# KiCad board panel1.kicad_pcb (continued)
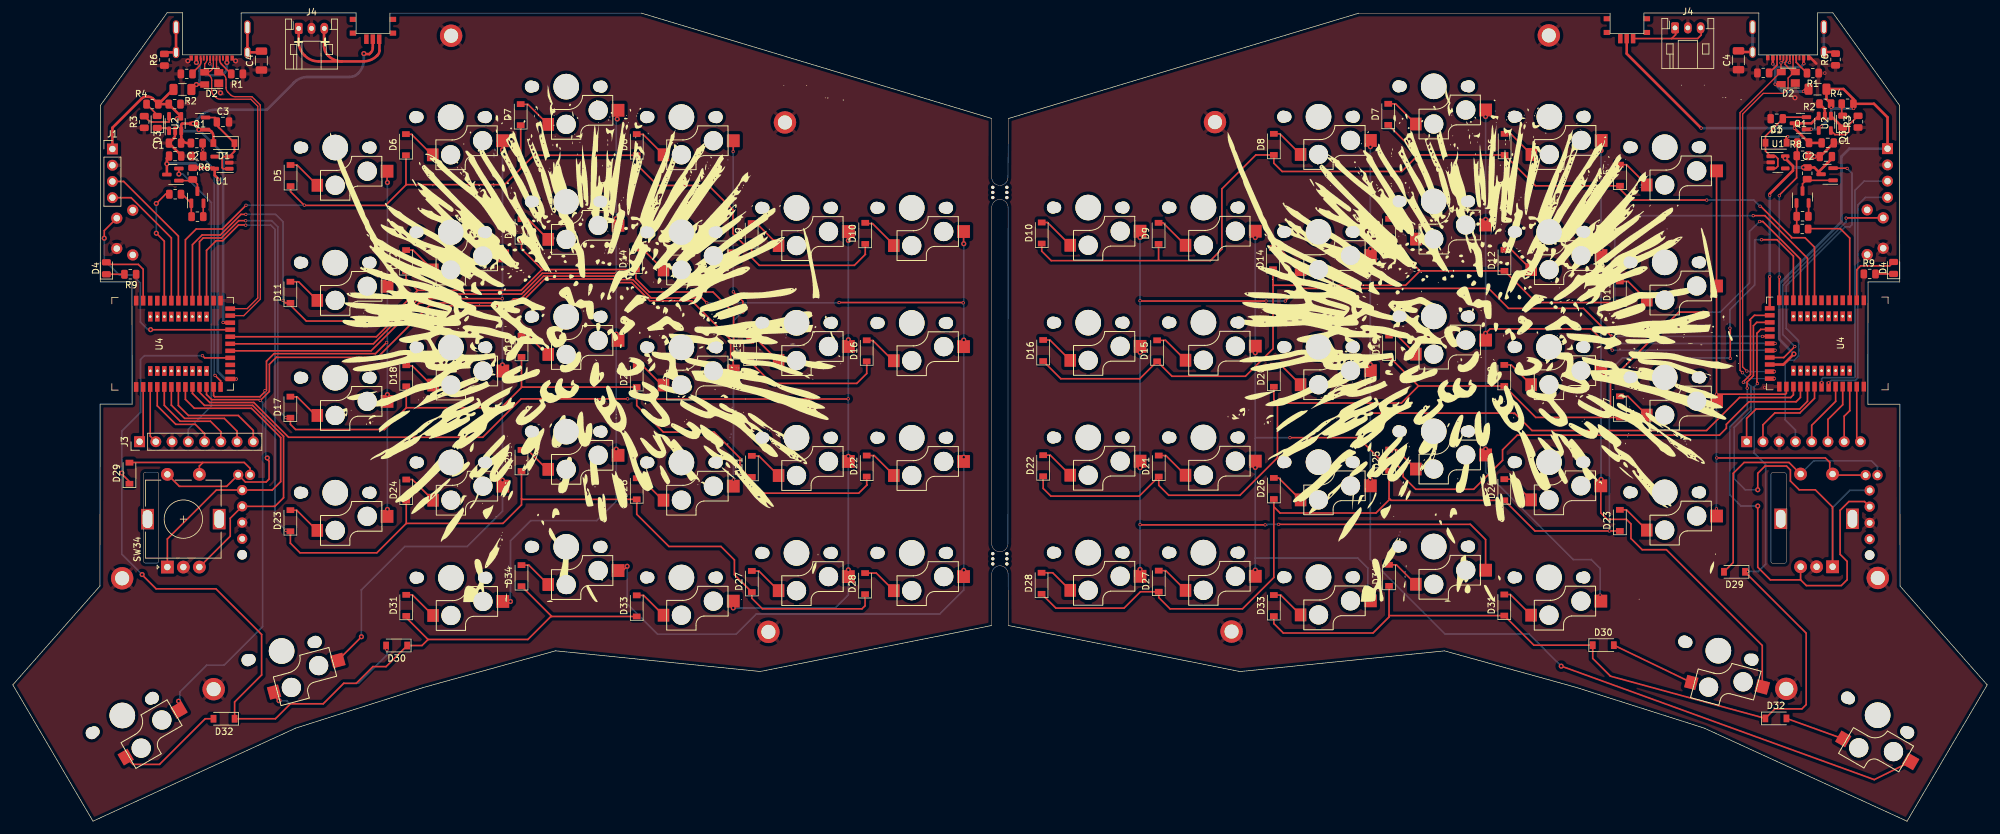
[diagram p0: board, top side]
## Nets (continued)
Net-(D18-Pad2): D18.2 D18#2.2 SW15.1 SW15#2.1
Net-(D19-Pad2): D19.2 D19#2.2 SW16.1 SW16#2.1
Net-(D20-Pad2): D20.2 D20#2.2 SW17.1 SW17#2.1
Net-(D21-Pad2): D21.2 D21#2.2 SW18.1 SW18#2.1
Net-(D22-Pad2): D22.2 D22#2.2 SW19.1 SW19#2.1
Net-(D23-Pad2): D23.2 D23#2.2 SW20.1 SW20#2.1
Net-(D24-Pad2): D24.2 D24#2.2 SW21.1 SW21#2.1
Net-(D25-Pad2): D25.2 D25#2.2 SW22.1 SW22#2.1
Net-(D26-Pad2): D26.2 D26#2.2 SW23.1 SW23#2.1
Net-(D27-Pad2): D27.2 D27#2.2 SW24.1 SW24#2.1
Net-(D28-Pad2): D28.2 D28#2.2 SW25.1 SW25#2.1
Net-(D29-Pad2): D29.2 D29#2.2 SW32.S1 SW32#2.S1 SW34.S1 SW34#2.S1
Net-(D30-Pad2): D30.2 D30#2.2 SW26.1 SW26#2.1
Net-(D31-Pad2): D31.2 D31#2.2 SW27.1 SW27#2.1
Net-(D32-Pad2): D32.2 D32#2.2 SW28.1 SW28#2.1
Net-(D33-Pad2): D33.2 D33#2.2 SW29.1 SW29#2.1
Net-(D34-Pad2): D34.2 D34#2.2 SW30.1 SW30#2.1
Net-(J4-Pad1): J4.1 J4.3 J4#2.1 J4#2.3 SW33.1 SW33#2.1
Net-(Q2-Pad1): Q2.1 Q2#2.1 R10.2 R10#2.2 R11.2 R11#2.2
Net-(Q2-Pad2): Q2.2 Q2#2.2 R11.1 R11#2.1
Net-(Q2-Pad3): Q2.3 Q2#2.3 Q3.1 Q3#2.1 R12.1 R12#2.1
Net-(R3-Pad2): R3.2 R3#2.2 U2.5 U2#2.5

Pads without a net: J2 A8 B8; J2#2 A8 B8; SW1 3; SW1#2 3; SW32 D; SW32#2 D; SW33 3 4; SW33#2 3 4; SW34 MP; SW34#2 MP; U1 4; U1#2 4; U4 4 5 6 7 12 38 39 40 41 42 43 44 45 46 47 48 49 50 51 52 53 54 55; U4#2 15 16 26 34 35 38 39 40 41 42 43 44 45 46 47 48 49 50 51 52 53 54 55

## Via types
v1: diameter 0.8, hole 0.4, Top to Bottom, 75 vias
v2: diameter 0.5, hole 0.3, Top to Bottom, 94 vias

## Routing (per net, layer and track width the routed paths; a pad name or vN(x,y) marks a point on that pad's centre or on a via; arc(x,y) is an arc through that point)
GND: length 12
  Top w0.4: C1.2 26.32,104.14 C2.2 ; C1#2.2 282.45,103.96 C2#2.2 ; U2#2.2 283.18,111.38 R2#2.2 ; 25.37,108.02 25.37,107.45 arc(25.29,107.07) 25.08,106.74 24.41,106.07 ; 281.84,118.52 280.94,119.42 J2.A1
  vias: v1(27.35,118.92) v1(32.46,113.92) v1(34.82,118.92) v1(278.51,113.16) v1(281.53,103.96) v2(27.43,112.29) v2(273.76,67.84) v2(283.18,117.02)
VBAT: length 85
  Top w0.4: SW33.2 56.26,120.94 arc(56.18,120.56) 55.96,120.23 55.72,119.99 54.94,119.99 v1(54.86,120.07) ; 27.81,106.07 27.32,106.07 arc(26.61,106.36) 26.32,107.07 26.32,108.95 26.49,109.12 v1(28.18,109.12) ; SW33#2.2 252.22,120.04 v2(263.85,108.41) ; U2#2.3 281.09,109.17 Q1.3 v2(278.43,108.41) 278.43,108.4 R7.2 280.73,106.1 C1#2.1
  Bottom w0.4: v1(54.86,120.07) 54.86,119.1 arc(54.63,117.95) 53.98,116.98 arc(53.35,116.56) 52.61,116.41 46.04,116.41 arc(44.9,116.18) 43.92,115.53 43.92,115.5 39.7,111.28 31.58,111.28 arc(30.43,111.05) 29.46,110.4 v1(28.18,109.12) ; v2(278.43,108.41) v2(263.85,108.41)
VBUS: length 144.8
  Top w0.4: v2(287.68,111.48) 287.64,111.52 R4.1 ; U4#2.22 32.89,77.98 v2(32.86,78) ; U2.4 26.1,110.26 v1(25.73,109.88) ; R2#2.1 283.44,112.95 F1#2.1 283.46,114.53 286.08,114.53 287.64,112.97 R4.1 ; 22.75,112.17 23.94,112.17 arc(24.32,112.09) 24.65,111.87 26.3,110.22 ; 22.75,112.17 21.9,113.02 arc(21.58,113.24) 21.19,113.31 20.82,113.31 arc(20.44,113.24) 20.12,113.02 15.57,108.47 J1.1 ; 22.75,112.17 25.04,114.45 ; v2(277.37,107.06) 277.21,106.9 D1.2 ; Q1#2.1 30.1,108.15 v1(29.08,108.15) ; J1#2.1 292.98,110.09 290.86,112.22 R4.1 ; U4.22 276.69,71.43 v1(278.35,73.08) ; D1#2.2 31.34,107.15 arc(31.26,107.54) 31.05,107.86 31.03,107.88 arc(30.71,108.09) 30.33,108.17
  Bottom w0.4: v2(277.37,107.06) 279.04,107.06 280.24,108.25 v2(281.08,108.25) 282.22,108.25 v2(282.61,108.65) 284.18,110.21 v2(284.18,111.66) 284.35,111.48 v2(287.68,111.48) ; v2(32.86,78) 32.86,104.37 v1(29.08,108.15) 28.88,107.95 26.67,107.95 25.73,108.89 v1(25.73,109.88) ; v1(278.35,73.08) 276.07,75.36 276.07,84.05 285.78,93.76 285.78,103.96 287.01,105.2 J1#2.1
VDD_NRF: length 83.4
  Top w0.4: U1#2.5 v1(276.99,103.68) 278.21,102.46 278.21,101.78 274.57,98.14 v2(274.57,97.91) ; U4.14 v2(274.57,85.16) ; U4#2.14 34.93,69.18 v2(34.95,69.16) ; C2#2.1 284.29,103.64 282.22,101.57 ; C2.1 24.08,103.7 v1(24.08,102.82) Q3#2.3 ; 282.22,101.57 281.53,102.26 R12#2.2 ; 282.22,101.57 Q3.3 ; v2(32.06,100.33) 32.06,100.53 31.55,101.03 U1.5 31.4,102.21 v1(29.26,102.21) R12.2
  Bottom w0.4: v2(32.06,100.33) 32.06,70.3 33.19,69.16 v2(34.95,69.16) ; v2(274.57,85.16) v2(274.57,97.91) ; v1(276.99,103.68) 278.41,102.26 v1(279.83,102.26) ; v1(29.26,102.21) 28.59,102.87 24.13,102.87 v1(24.08,102.82)
/CC1: length 6
  Top w0.25: R1#2.2 278.71,118.7 J2.A5 ; R1.2 32.63,118.4 arc(32.41,118.72) 32.34,119.1
/CC2: length 5.7
  Top w0.25: R5.2 275.71,118.28 J2.B5 ; J2#2.B5 29.41,119.29 29.41,118.8 arc(29.33,118.41) 29.12,118.09 28.09,117.06
BUSY: length 26.8
  Top w0.25: 288.74,59.41 288.17,59.98 U4.36 ; J3.8 37.59,61.11 35.24,63.46 27.44,63.46 25.88,65.03 U4#2.7
BVOLT: length 66
  Top w0.25: v2(31.61,69.72) 31.62,69.72 32.48,68.87 U4#2.13 ; 29.69,106.07 29.69,104.14 ; v2(276.07,97.84) 276.07,97.94 278.76,100.63 278.76,104.07 R8#2.2 278.88,104.19 R7.1 ; U4.13 v2(276.07,85.11)
  Bottom w0.25: v2(276.07,85.11) v2(276.07,97.84) ; v2(29.69,105) 29.71,104.98 29.71,103.76 31.48,101.99 31.48,69.85 v2(31.61,69.72)
COL0: length 211.5
  Top w0.25: U4.26 277.17,66.93 277.03,66.79 v2(266.26,66.79) SW2#2.2 ; v1(58.54,99.9) 58.49,99.95 SW2.2 ; SW32#2.S2 284.56,54.13 SW34#2.S2 283.95,54.75 283.95,56.13 283.26,56.82 v2(266.29,56.82) ; v1(39.77,56.82) 39.64,56.95 39.54,56.95 39.54,56.82 40.05,56.31 40.05,53.52 39.59,53.06 36.35,53.06 SW32.S2 33.42,52.38 26.03,52.38 SW34.S2 ; v2(266.24,48.87) 266.26,48.86 SW20#2.2 ; v2(58.42,74.88) 56.66,73.13 40.81,73.13 39.65,71.96 39.65,67.41 38.63,66.4 31.54,66.4 31.38,66.56 U4#2.12
  Bottom w0.25: v1(58.54,48.77) v1(58.54,66.73) 58.54,74.75 v2(58.42,74.88) 58.54,75.01 v1(58.54,84.68) v1(58.54,99.9) ; v2(39.4,67.35) 39.49,67.44 39.49,57 ; v2(266.26,66.79) 266.26,66.81 266.24,66.83 v2(266.24,48.87)
COL1: length 270.1
  Top w0.25: v2(76.5,81.74) 63.42,81.74 56.36,74.68 U4#2.19 ; U4.19 v2(275.41,74.73) ; v1(248.21,104.9) 248.22,104.92 SW3.2 ; SW21#2.2 248.17,48.22 249.17,47.22 252.17,47.22 252.88,46.51 252.88,44.22 254.64,42.47 258.42,42.47 273.4,27.48 SW26#2.2 ; v1(76.53,105) 76.52,105.01 SW3#2.2 ; v1(54.48,28.86) 54.48,28.83 SW26.2
  Bottom w0.25: 248.21,74.75 v1(248.21,89.41) v1(248.21,104.9) ; 248.21,74.75 v1(248.21,71.45) v1(248.21,53.47) ; 248.21,74.75 248.23,74.73 v2(275.41,74.73) ; v1(54.48,28.86) 54.48,36.2 61.26,42.98 71.01,42.98 76.53,48.49 v1(76.53,53.34) v1(76.53,71.37) v1(76.53,89.43) v1(76.53,105)
COL2: length 287.5
  Top w0.25: v2(94.31,85.71) 82.76,85.71 79.5,82.45 63.5,82.45 56.82,75.78 U4#2.20 ; SW27#2.2 77.76,34.38 v1(77.77,34.37) ; U4.20 275.38,73.63 v2(275.41,73.66) ; SW4#2.2 94.46,111.07 v1(94.46,109.83) ; v2(249.96,73.69) 246.63,77.01 230.86,77.01 v1(230.16,76.31)
  Bottom w0.25: v2(249.96,73.69) 249.99,73.66 v2(275.41,73.66) ; v1(77.77,34.37) 77.77,43.84 80.95,47.02 91.26,47.02 94.31,50.06 v1(94.31,58.19) v1(94.31,76.2) v2(94.31,85.71) v1(94.31,94.26) 94.31,109.93 94.38,110.01 94.46,109.93 v1(94.46,109.83) ; v2(248.06,35.38) 248.06,39.55 246.68,40.92 243.87,40.92 230.16,54.62 v1(230.16,58.2) v1(230.16,76.31) v1(230.16,94.12) v1(230.16,110.22)
COL3: length 443.5
  Top w0.25: SW5.2 112.59,104.77 v2(112.57,104.75) ; SW28.2 290.91,6.5 v1(241.99,24.26) ; v2(112.61,82.79) 114.09,81.31 v2(114.09,79.63) ; SW28#2.2 25.9,17.46 v1(25.9,18.77) ; U4#2.11 30.28,66.75 31.09,65.94 38.81,65.94 40.1,67.23 40.1,71.47 41.2,72.57 41.21,72.55 56.98,72.55 56.99,72.54 65.08,80.63 77.8,80.63 78.44,81.26 79.58,81.26 83.13,84.81 93.76,84.81 94.32,84.25 96.72,84.25 99.57,81.4 106.1,81.4 112.19,75.31 112.19,72.37 112.59,71.96 SW17.2 ; v2(212.14,63.83) 234.7,63.83 237.41,61.11 264.69,61.11 269.85,66.27 277.85,66.27 278.27,66.69 U4.27
  Bottom w0.25: v2(112.62,53.39) v2(112.62,69.42) 112.62,78.26 113.99,79.63 v2(114.09,79.63) ; v1(212.15,105.5) v1(212.15,89.5) v1(212.15,71.41) 212.15,63.84 v2(212.14,63.83) 212.15,63.82 212.15,40.96 223.82,29.29 236.96,29.29 v1(241.99,24.26) ; v1(25.9,18.77) 26.11,18.77 26.11,20.22 30.3,24.41 33.02,24.41 39.04,30.44 39.04,65.5 38.71,65.84 38.69,65.82 v2(38.66,65.82) ; v2(112.57,104.75) v2(112.57,87.48) 112.57,82.83 v2(112.61,82.79)
  vias: v1(212.15,53.45)
COL4: length 358
  Top w0.25: U4#2.10 29.18,67.09 30.77,65.49 37.66,65.49 43.1,60.05 73.44,60.05 79.45,66.07 v2(96.08,66.07) ; U4.28 279.37,66.29 278.69,65.61 271.32,65.61 267.79,62.08 267.79,61.47 266.7,60.38 235.1,60.38 232.82,58.09 232.82,56.44 228.3,51.92 219.25,51.92 217.27,53.9 217.27,54.76 215.19,56.85 213.41,56.85 210.26,59.99 v2(199.59,59.99) ; v2(130.55,66.07) 130.53,66.04 v2(99.11,66.04) ; v1(130.58,90.83) 130.58,90.83 SW6#2.2 ; v1(211.76,36.12) 212.16,35.72 SW29.2 ; SW29#2.2 v1(112.59,33.35)
  Bottom w0.25: 194.17,59.91 v1(194.17,55.33) 194.17,41.16 ; 194.17,59.91 v1(194.17,73.27) v1(194.17,91.3) ; 194.17,59.91 194.26,59.99 v2(199.59,59.99) ; v1(211.76,36.12) 211.76,39.6 210.2,41.16 194.17,41.16 ; v2(96.08,66.07) 99.08,66.07 v2(99.11,66.04) ; v1(112.59,33.35) 128.52,33.35 130.58,35.41 v1(130.58,39.32) v1(130.58,57.07) v1(130.58,75.31) v1(130.58,90.83) ; 194.17,41.16 v1(194.17,39.28)
COL5: length 456.6
  Top w0.25: v2(198.86,81.36) 200.84,83.34 230.63,83.34 233.76,80.21 245.47,80.21 249.86,75.82 v2(249.96,75.82) ; v1(96.01,39.88) 95.34,39.21 SW30#2.2 ; v2(176.16,46.39) 176.16,46.42 176.2,46.46 176.3,46.35 v2(195.71,46.35) ; U4.18 v2(273.43,75.83) ; SW7#2.2 148.58,90.35 v1(148.61,90.32) ; v2(108.45,81.08) 107.68,81.85 99.76,81.85 96.9,84.7 94.5,84.7 93.94,85.26 82.95,85.26 79.4,81.71 78.25,81.71 77.62,81.08 63.5,81.08 56,73.58 U4#2.18 ; v2(176.16,81.42) 176.1,81.36 v2(195.86,81.36) ; v2(148.54,81.08) 148.48,81.13 v2(129.13,81.13) ; SW30.2 230.16,44.06 227.79,46.43 v2(197.82,46.43)
  Bottom w0.25: v2(198.86,81.36) v2(195.86,81.36) ; v1(176.16,39.38) v2(176.16,46.39) v1(176.16,55.28) v1(176.16,73.34) v2(176.16,81.42) v1(176.16,91.3) ; v2(249.96,75.82) 249.97,75.83 v2(273.43,75.83) ; v2(129.13,81.13) 129.08,81.08 v2(108.45,81.08) ; v2(195.71,46.35) 195.99,46.35 196.06,46.43 v2(197.82,46.43) ; v1(96.01,39.88) 96.01,34.01 100.76,29.26 113.05,29.26 116.2,32.41 144.85,32.41 148.61,36.17 v1(148.61,39.24) v1(148.61,56.95) v1(148.61,75.26) v1(148.61,90.32)
CS: length 25.3
  Top w0.25: U4.29 280.47,65.69 279.25,64.47 272.41,64.47 270.96,63.01 270.96,59.41 ; J3.1 20.38,59.93 U4#2.2
D+: length 111.4
  Top w0.2: J2.A6 277.71,118.72 v2(277.66,118.67) ; J2.B6 276.71,119 v2(276.33,118.62) 276.33,117.21 D2.3 276.29,117.18 269.93,110.83 269.93,70.53 v2(270.31,70.15) ; U4#2.24 36.63,80.18 38.28,81.83 38.28,111.85 37.2,112.93 32.44,112.93 arc(32.06,113.01) 31.73,113.22 31.38,113.58 arc(31.16,113.9) 31.09,114.28 31.09,115.89 arc(31.01,116.28) 30.79,116.6 30.26,117.13 ; D2#2.3 29.99,118.45 30.04,118.51 arc(30.26,118.83) 30.34,119.21 ; J2#2.A6 31.34,117.93 31.19,117.78 31.19,117.63 30.98,117.42 arc(30.66,117.21) 30.28,117.13
  Bottom w0.2: v2(275.31,69.24) 275.3,69.23 271.23,69.23 v2(270.31,70.15) ; v2(276.33,118.62) 276.38,118.67 v2(277.66,118.67)
D-: length 112.7
  Top w0.2: J2.A7 277.21,119.01 277.14,118.94 277.14,118.86 276.96,118.69 276.96,118.39 278.17,117.18 D2.2 278.21,117.53 J2.B7 ; U4#2.23 36.1,79.08 38.68,81.66 38.68,112.01 37.37,113.33 34.73,113.33 arc(34.35,113.4) 34.03,113.62 33.61,114.03 arc(33.4,114.36) 33.32,114.74 33.32,115.99 arc(33.24,116.38) 33.03,116.7 32.6,117.13 ; 278.38,117.18 277.44,116.24 277.44,114.55 276.73,113.84 273.56,113.84 270.33,110.61 270.33,71.07 v2(270.99,70.41) ; v2(32.05,117.78) 32.05,117.27 ; J2#2.A7 30.84,118.7 30.78,118.64 v2(30.78,118.47) ; J2#2.B7 31.84,117.48
  Bottom w0.2: v2(275.31,70.33) 275.3,70.33 271.07,70.33 ; v2(32.05,117.78) 32.1,117.73 32.1,117.58 32.08,117.58 arc(31.7,117.65) 31.38,117.87 v2(30.78,118.47)
DC: length 23.2
  Top w0.25: J3#2.2 273.51,62 275.36,63.86 279.27,63.86 281.57,66.15 U4.30 ; U4#2.3 21.48,60.23 J3.2
Earth: length 23.5
  Top w0.4: J2#2.S2 J2#2.S4 38.75,120.27 ; C4#2.2 269.87,120.32 J2.S3 ; R6#2.2 284.6,120.32 J2.S4 ; J2#2.S1 J2#2.S3 23.92,120.27
  Bottom w0.4: J2.S1 J2.S3 ; J2.S2 J2.S4
LED_1: length 22.1
  Top w0.25: D4.2 14.95,87.1 19.61,87.1 20.38,86.33 U4#2.36 ; D4#2.2 293.31,86.87 288.77,86.87 288.17,86.26 U4.2
MOSI: length 24.6
  Top w0.25: J3.6 32.51,60.94 30.88,62.56 26.16,62.56 23.68,65.04 U4#2.5 ; U4.34 285.97,65.14 283.67,62.84 J3#2.6
PWR: length 99.5
  Top w0.25: Q3.2 286.63,102.14 v2(286.66,102.11) ; Q3#2.2 25.95,101.22 v1(25.96,101.22)
  Bottom w0.25: v1(25.96,101.22) 26.59,101.22 31.04,96.77 31.04,64.92 27.43,61.32 J3.4 ; v2(286.66,102.11) 287.43,101.35 287.43,93.29 287.1,92.96 286.36,92.96 277.14,83.74 277.14,77.09 279.07,75.15 279.07,72.78 278.4,72.11 277.52,72.11 276.99,71.58 276.99,62.79 278.59,61.19 J3#2.4
PWR_EN: length 35.2
  Top w0.25: R10#2.1 23.87,98.07 v1(22.42,96.62) ; U4#2.33 23.68,90.72 v1(22.42,91.97) ; R10.1 280.62,92.68 285.6,92.68 287.07,91.21 U4.3
  Bottom w0.25: v1(22.42,91.97) v1(22.42,96.62)
RAW: length 30.4
  Top w0.4: v2(275.41,115.29) 275.42,115.28 D2.4 ; J2.A4 275.05,119.41 v2(275.05,118.44) ; F1.2 v1(28.69,115.23) D2#2.4 ; v2(279.91,118.49) 279.86,118.54 J2.A4 ; J2#2.A4 v1(28.69,118.68) ; F1#2.2 280.19,114.5 v2(279.83,114.15) ; v1(33.45,118.67) 33.49,118.7 J2#2.A4
  Bottom w0.4: 275.53,117.97 v2(275.05,118.44) ; 275.53,117.97 279.38,117.97 v2(279.91,118.49) ; 275.53,117.97 275.41,117.85 v2(275.41,115.29) 276.56,114.15 v2(279.83,114.15) ; v1(28.69,115.23) 28.73,115.19 28.8,115.19 28.91,115.3 arc(29.13,115.63) 29.21,116.01 29.21,117.75 arc(29.13,118.13) 28.91,118.45 v1(28.69,118.68) ; v1(33.45,118.67) 33.45,117.85 arc(33.38,117.46) 33.16,117.14 33,116.98 arc(32.68,116.76) 32.3,116.69 30.33,116.69 arc(29.95,116.76) 29.62,116.98 29.21,117.4
RESET: length 70.5
  Top w0.25: v2(286.51,94.34) 286.55,94.38 SW1#2.1 ; U4.21 276.77,72.53 v2(278.49,74.24) ; v1(21.54,76.89) 21.55,76.88 U4#2.21 ; v1(14.3,91.19) 14.3,92.38 SW1.1
  Bottom w0.25: v2(286.51,94.34) 286.51,93.75 276.6,83.84 276.6,76.13 v2(278.49,74.24) ; v1(14.3,91.19) 14.3,87.78 16.66,85.42 18.69,85.42 19.94,84.18 19.94,78.08 21.08,76.94 21.48,76.94 v1(21.54,76.89)
ROT1A: length 131.1
  Top w0.25: v1(272.7,51.84) 272.7,54.41 273.84,55.55 277.19,55.55 277.8,54.94 277.8,53.21 279.17,51.84 281.69,51.84 284.39,49.14 SW34#2.A ; 270.33,68.63 271.57,69.87 271.57,78.29 271.45,78.41 272.17,79.13 U4.15 ; SW34.A 24.16,44.15 31.8,51.79 SW32.A 40.49,51.79 40.52,51.77 41.86,53.11 41.86,60.02 37.29,64.59 28.37,64.59 26.98,65.98 U4#2.8
  Bottom w0.25: v2(270.46,68.65) 270.48,68.65 270.48,68.66 270.54,68.61 271.04,68.61 271.63,68.02 271.63,64.21 269.01,61.59 269.01,53.57 270.74,51.84 v1(272.7,51.84) ; SW32#2.A 287.07,51.74 284.3,48.97 284.39,48.88 SW34#2.A
ROT1B: length 126.8
  Top w0.25: SW34.B 33.98,44.58 33.98,47.38 SW32.B 40.92,49.25 40.94,49.23 42.31,50.6 42.31,60.21 37.48,65.04 29.95,65.04 28.08,66.91 U4#2.9 ; 279.39,37.75 280.29,36.86 285.75,36.86 286.66,37.77 286.66,40.64 285.57,41.73 285.57,48.63 286.94,50 289.38,50 SW32#2.B ; 279.39,37.75 274.67,37.75 272.7,39.72 v1(272.7,49.3) ; 279.39,37.75 SW34#2.B ; U4.16 272.55,78.03 272.02,77.5 272.02,69.68 271.03,68.69 271.03,67.76 v2(271.05,67.74)
  Bottom w0.25: v2(271.05,67.74) 271.07,67.73 271.07,64.41 268.33,61.67 268.33,51.05 270.08,49.3 v1(272.7,49.3)
ROW0: length 312
  Top w0.25: 179.07,87.81 179.06,87.82 D9#2.1 ; v2(264.72,97.15) 252.88,97.15 251.17,98.87 D5#2.1 237.96,99.39 D6.1 219.65,104.22 ; v2(36.45,96.34) 32.74,92.63 28.67,92.63 26.98,90.94 U4#2.30 ; 61.49,99.57 76.86,99.57 79.37,102.08 ; 61.49,99.57 58.24,96.32 45.56,96.32 43.4,98.48 D5.1 ; 61.49,99.57 61.44,99.62 D6#2.1 ; 219.65,104.22 D7#2.1 ; 219.65,104.22 217.06,101.63 198.37,101.63 197.07,102.93 D8.1 194.26,104.22 188.95,98.91 188.95,89.48 187.15,87.68 162.28,87.68 160.8,89.16 D10#2.1 ; U4.8 281.57,89.78 280.09,91.26 277.98,91.26 277.98,91.36 273.15,96.19 v2(273.05,96.19) ; D10.1 133.22,88.7 133.24,88.67 131.52,86.94 116.66,86.94 115.46,88.14 D9.1 114.22,90.25 112.54,91.92 112.54,95.63 108.73,99.44 100.78,99.44 97.51,102.72 D8#2.1 81.46,104.17 79.37,102.08 ; 79.37,102.08 D7.1
  Bottom w0.25: v2(45.56,96.37) 45.54,96.34 v2(36.45,96.34) ; v2(273.05,96.19) 272.08,97.15 v2(264.72,97.15)
ROW1: length 326.1
  Top w0.25: D11#2.1 v2(250.34,81.13) 238.06,81.13 D12#2.1 219.92,86.08 ; 63.27,83.03 79.45,83.03 82.7,86.29 82.75,86.29 ; 63.27,83.03 58.47,78.23 45.87,78.23 43.38,80.72 D11.1 42.62,81.08 v2(42.24,81.46) ; 63.27,83.03 61.46,84.84 D12.1 ; 196.94,83.83 217.66,83.83 219.92,86.08 ; 196.94,83.83 D14#2.1 ; 196.94,83.83 196.94,73.91 192.63,69.6 181.16,69.6 D15#2.1 176.13,69.21 163.78,69.21 D16.1 ; v2(271.98,94.72) 273.81,94.72 280.47,88.06 U4.9 ; 219.92,86.08 D13.1 ; 82.75,86.29 79.5,89.54 D13#2.1 ; 82.75,86.29 D14.1 97.38,84.91 97.35,84.89 99.46,82.78 109.42,82.78 112.65,79.55 112.65,73.66 114.44,71.87 D15.1 118.63,68.48 131.9,68.48 133.45,70.03 D16#2.1 ; v2(36.42,94.92) 35.66,94.92 32.43,91.69 29.59,91.69 28.08,90.18 U4#2.29
  Bottom w0.25: v2(271.98,94.72) 253.67,94.72 250.34,91.39 250.34,81.13 v2(250.34,81.13) ; v2(42.24,81.46) 42.24,93.75 41.07,94.92 v2(36.42,94.92)
ROW2: length 347.7
  Top w0.25: 197.59,65.4 197.64,65.35 197.64,56.85 191.77,50.98 180.64,50.98 179.09,52.54 D21.1 176.04,50.85 162.23,50.85 161.03,52.05 D22#2.1 ; 197.59,65.4 197.07,65.92 D20.1 ; 197.59,65.4 217,65.4 219.67,68.07 ; v2(272.97,93.8) 273.48,93.8 279.37,87.92 U4.10 ; 61.49,64.67 D18#2.1 ; 61.49,64.67 76.32,64.67 79.57,67.92 ; 61.49,64.67 58.09,61.27 44.19,61.27 43.38,62.08 D17#2.1 42.71,63.11 v2(42.67,63.15) ; 219.67,68.07 D19.1 ; 219.67,68.07 D18.1 238,63.16 D17.1 ; 79.57,67.92 79.5,68 D19#2.1 ; 79.57,67.92 79.6,67.9 D20#2.1 97.51,65.03 101.67,60.86 109.6,60.86 113.64,56.82 113.64,55.3 115.08,53.85 D21#2.1 115.49,52.71 116.89,51.31 132.2,51.31 133.5,52.6 133.45,52.65 D22.1 ; U4#2.28 29.18,90.65 29.77,91.24 32.61,91.24 35.3,93.93 v2(36.39,93.93) ; 250.96,63.16 249.68,64.44 249.68,68.96 260.35,79.63 v2(264.19,79.63)
  Bottom w0.25: v2(42.67,63.15) 41.42,64.39 41.42,92.96 40.46,93.93 v2(36.39,93.93) ; v2(272.97,93.8) 271.45,92.28 ; v2(264.19,79.63) 266.85,79.63 271.4,84.18 271.4,92.28
ROW3: length 380.9
  Top w0.25: 215.19,50.37 213.03,48.21 198.04,48.21 197.07,49.18 ; 215.19,50.37 215.08,50.48 D25#2.1 ; 215.19,50.37 215.36,50.19 D24#2.1 237.88,45.4 D23.1 ; D28.1 133.19,33.71 132.71,33.22 117.14,33.22 115.49,34.87 D27.1 112.77,38.56 112.77,40.87 110.66,42.98 102.54,42.98 97.51,48.01 D26#2.1 79.57,50.35 79.5,50.42 ; D26.1 197.07,38.12 192.18,33.22 180.85,33.22 179.09,34.99 D27#2.1 176.23,35.89 173.66,33.32 163.01,33.32 D28#2.1 ; 61.49,46.58 D24.1 ; 61.49,46.58 76.6,46.58 79.5,49.48 79.5,50.42 ; 61.49,46.58 56.89,41.99 44.88,41.99 43.38,43.49 D23#2.1 42.83,45.35 v2(42.67,45.52) ; v2(268.4,72.39) 268.4,77.06 v2(268.35,77.11) ; 79.5,50.42 D25.1 ; v2(36.39,93.23) 36.39,93.27 35.28,93.27 32.8,90.79 31.77,90.79 30.28,89.29 U4#2.27 ; v2(273.28,90.96) 275.69,90.96 278.27,88.38 U4.11
  Bottom w0.25: v2(42.67,45.52) 40.97,47.21 40.97,92.58 40.32,93.23 v2(36.39,93.23) ; v2(268.4,72.39) 268.27,72.52 268.25,72.52 268.2,72.47 251.56,72.47 249.52,70.42 v2(249.52,45.4) ; v2(273.28,90.96) 272.29,90.96 272.21,90.88 272.21,83.87 268.35,80.01 v2(268.35,77.11)
ROW4: length 336.7
  Top w0.25: v1(17.04,54.46) 17.01,54.43 17.01,54.33 18.54,52.81 ; v2(272.64,68.45) 272.64,68.61 272.62,68.63 272.62,68.66 272.57,68.71 272.57,76.33 273.17,76.93 U4.17 ; v2(29.64,72.82) 29.98,72.48 U4#2.17 ; 20.24,38.51 22.4,36.35 31.75,36.35 38.88,29.21 38.88,22.87 34.67,18.65 D32#2.1 41.04,16.03 43.38,18.36 48.51,18.36 51.71,21.57 53.67,21.57 56.28,24.18 58.34,24.18 D30.1 63.95,27.48 64.89,28.42 ; 215.08,32.24 D34#2.1 ; 215.08,32.24 215.08,31.96 215.09,31.95 212.57,29.44 198.55,29.44 197.07,30.92 D33.1 ; 215.08,32.24 215.16,32.16 D31.1 237.71,27.53 D30#2.1 246.9,25.46 249.68,22.68 D32.1 275.38,17.58 279.6,17.58 280.26,18.24 280.26,29.41 270.71,38.96 D29#2.1 ; 64.89,28.42 80.49,28.42 84.09,32.03 84.23,32.03 ; 64.89,28.42 61.49,31.83 D31#2.1 ; 84.23,32.03 D34.1 ; 84.23,32.03 D33#2.1
  Bottom w0.25: v2(271.14,39.07) 272.8,39.07 273.93,40.2 273.93,55.79 272.13,57.59 272.13,67.94 v2(272.64,68.45) ; v2(29.64,72.82) 20.57,72.82 19.96,72.21 19.96,63.96 17.04,61.04 v1(17.04,54.46) 17.04,41.76 v1(20.21,38.58)
RST: length 25.4
  Top w0.25: J3#2.7 286.21,63.35 287.07,64.21 287.07,64.21 U4.35 ; U4#2.6 24.78,65.09 26.85,63.01 33.05,63.01 35.05,61.01 J3.7
SCLK: length 23.6
  Top w0.25: J3.5 29.97,60.63 28.52,62.08 25.47,62.08 22.58,64.97 U4#2.4 ; U4.33 284.87,65.67 281.13,61.93 J3#2.5
SWC: length 65.3
  Top w0.25: U4#2.31 25.88,91.52 17.33,100.07 J1.3 ; U4.31 v2(282.67,68.6)
  Bottom w0.25: J1#2.3 289.32,100.12 287.88,98.68 287.88,69.53 287.74,69.39 282.88,69.39 282.68,69.19 282.68,68.61 v2(282.67,68.6)
SWD: length 58.7
  Top w0.25: J1.4 18.49,97.53 24.78,91.24 U4#2.32
  Bottom w0.25: v2(283.77,68.55) 284.15,68.94 287.93,68.94 288.33,69.34 288.33,96.39 289.52,97.58 J1#2.4
Net-(C3-Pad1): length 27.2
  Top w0.25: Q1.2 276.85,110.12 C3#2.1 273.91,107.17 D1.1 273.91,104.82 U1#2.1 275.47,104.01 275.84,103.63 275.84,102.46 275.49,102.11 U1#2.3 ; 30.18,110.07 31.61,110.07 31.8,109.88 ; U1.1 32.86,102.06 32.71,102.21 32.71,103.71 32.96,103.96 U1.3
  Top w0.3: U1.3 34.64,104.77 D1#2.1 32.18,108.53 arc(31.96,108.85) 31.89,109.24
Net-(D3-Pad1): length 4.6
  Top w0.25: U2.1 23.97,108.44 D3#2.1
  Top w0.4: D3.1 284.15,110.31 U2#2.1
Net-(D3-Pad2): length 4.3
  Top w0.25: D3.2 285.82,110.51 R4.2 ; 20.88,112.17 22.58,110.47
Net-(D4-Pad1): length 5.6
  Top w0.25: D4.1 14.63,85.55 R9.1 ; R9#2.1 293.92,85.6 D4#2.1
Net-(D5-Pad2): length 11
  Top w0.25: D5#2.2 252.19,102.69 SW2#2.1 ; D5.2 44.42,102.64 SW2.1
Net-(D6-Pad2): length 11
  Top w0.25: SW3.1 234.09,107.52 D6.2 ; 61.29,107.44 62.3,107.44 65.47,104.27
Net-(D7-Pad2): length 11.1
  Top w0.25: D7#2.2 216.1,112.22 SW4.1 ; 79.5,112.12 80.51,112.12 83.68,108.95
Net-(D8-Pad2): length 11
  Top w0.25: 97.48,107.44 98.5,107.44 101.67,104.27 ; SW5#2.1 198.02,107.52 D8.2
Net-(D9-Pad2): length 11.2
  Top w0.25: SW6.1 179.76,93.6 D9#2.2 ; 119.6,90.15 116.43,93.32 115.41,93.32
Net-(D10-Pad2): length 11.4
  Top w0.25: D10#2.2 161.7,93.65 SW7.1 ; 133.35,93.47 134.36,93.47 137.53,90.3
Net-(D11-Pad2): length 10.8
  Top w0.25: D11.2 44.68,84.38 SW8#2.1 ; SW8.1 252.44,84.43 D11#2.2
Net-(D12-Pad2): length 10.9
  Top w0.25: D12#2.2 234.19,89.38 SW9.1 ; D12.2 62.55,89.33 SW9#2.1
Net-(D13-Pad2): length 11
  Top w0.25: D13.2 216.1,94.22 SW10#2.1 ; SW10.1 80.52,94.17 D13#2.2
Net-(D14-Pad2): length 11.4
  Top w0.25: SW11.1 98.33,89.59 D14.2 ; D14#2.2 197.9,89.64 SW11#2.1
Net-(D15-Pad2): length 11.2
  Top w0.25: 115.39,75.21 116.4,75.21 119.57,72.04 ; D15#2.2 180.15,75.22 SW12#2.1
Net-(D16-Pad2): length 11.1
  Top w0.25: 133.4,75.18 134.41,75.18 137.58,72.02 ; D16.2 162.07,75.27 SW13#2.1
Net-(D17-Pad2): length 10.9
  Top w0.25: SW14.1 252.42,66.46 D17.2 ; 43.43,66.37 44.45,66.37 47.61,63.2
Net-(D18-Pad2): length 11
  Top w0.25: 65.6,68.05 62.43,71.22 61.41,71.22 ; D18.2 234.17,71.37 SW15#2.1
Net-(D19-Pad2): length 10.9
  Top w0.25: D19.2 216.35,75.97 SW16#2.1 ; 83.81,72.68 80.64,75.85 79.62,75.85
Net-(D20-Pad2): length 10.9
  Top w0.25: 97.46,71.2 98.47,71.2 101.64,68.03 ; SW17#2.1 198.28,71.25 D20.2
Net-(D21-Pad2): length 11
  Top w0.25: D21.2 180.19,57.2 SW18#2.1 ; 115.59,57.13 116.61,57.13 119.78,53.96
Net-(D22-Pad2): length 11
  Top w0.25: 133.6,57.2 134.62,57.2 137.78,54.03 ; D22#2.2 162.13,57.25 SW19.1
Net-(D23-Pad2): length 11
  Top w0.25: 47.54,45.47 44.37,48.64 43.35,48.64 ; SW20#2.1 252.19,48.7 D23.2
Net-(D24-Pad2): length 11
  Top w0.25: D24#2.2 234.04,53.49 SW21#2.1 ; D24.2 62.44,53.44 SW21.1
Net-(D25-Pad2): length 10.9
  Top w0.25: D25#2.2 216.22,58.13 SW22#2.1 ; 83.66,54.87 80.49,58.04 79.47,58.04
Net-(D26-Pad2): length 11.1
  Top w0.25: D26.2 197.82,53.7 SW23#2.1 ; 97.35,53.42 98.37,53.42 101.54,50.25
Net-(D27-Pad2): length 10.9
  Top w0.25: SW24.1 116.6,39.14 D27.2 ; D27#2.2 180.19,39.19 SW24#2.1
Net-(D28-Pad2): length 11.3
  Top w0.25: SW25.1 162.51,38.86 D28#2.2 ; SW25#2.1 134.93,38.81 D28.2
Net-(D29-Pad2): length 64.6
  Top w0.25: 29.71,56.11 36.17,56.11 37.08,55.19 37.08,54.19 SW32.S1 ; 29.71,56.11 18.54,56.11 ; 29.71,56.11 29.16,55.55 SW34.S1 ; D29#2.2 268.86,40.46 268.86,54.41 270.56,56.11 277.58,56.11 SW34#2.S1
  Bottom w0.25: SW32#2.S1 291.41,55.43 290.47,56.36 281.45,56.36 SW34#2.S1
Net-(D30-Pad2): length 36.1
  Top w0.25: SW26.1 40.83,19.62 v1(41.6,18.85) ; SW26#2.1 D30#2.2
  Bottom w0.25: v1(41.6,18.85) 42.8,18.85 43.25,18.39 48.51,18.39 51.71,21.59 54.05,21.59 58.47,26.01 v2(58.47,26.82)
Net-(D31-Pad2): length 11
  Top w0.25: D31#2.2 62.44,35.41 SW27#2.1 ; SW27.1 234.04,35.46 D31.2
Net-(D32-Pad2): length 26.6
  Top w0.25: SW28#2.1 18.78,8.89 22.93,8.89 30.07,16.03 D32#2.2 ; SW28.1 D32.2
Net-(D33-Pad2): length 10.9
  Top w0.25: SW29#2.1 98.58,35.33 D33#2.2 ; SW29.1 198.15,35.38 D33.2
Net-(D34-Pad2): length 10.9
  Top w0.25: D34.2 80.64,40.06 SW30#2.1 ; SW30.1 216.22,40.11 D34#2.2
Net-(J4-Pad1): length 39.5
  Top w0.25: 263.86,124.05 263.86,122.97 263.31,122.42 259.25,122.42 ; 259.25,122.42 259.86,123.03 259.86,124.05 ; 259.25,122.42 SW33#2.1
  Top w0.4: 48.64,123.9 48.64,121.23 arc(48.79,120.46) 49.22,119.81 49.31,119.73 arc(50.28,119.08) 51.43,118.85 ; 51.43,118.85 47.77,118.85 arc(46.62,119.08) 45.65,119.73 45.55,119.82 arc(44.9,120.8) 44.67,121.94 44.67,124 ; 51.43,118.85 54.79,118.85 arc(55.93,119.08) 56.91,119.73 57.01,119.82 arc(57.22,120.15) 57.3,120.53 57.3,122.28
Net-(Q2-Pad1): length 8.4
  Top w0.25: R10.2 278.78,92.68 R11#2.2 278.75,94.65 Q2#2.1 ; R11.2 27.9,94.6 Q2.1 26.48,98.07 R10#2.2
Net-(Q2-Pad2): length 4.2
  Top w0.25: Q2.2 29.76,96.61 R11.1 ; R11#2.1 280.65,94.65 Q2#2.2
Net-(Q2-Pad3): length 10.7
  Top w0.25: Q3#2.1 27.92,100.19 R12.1 28.85,99.65 Q2.3 ; Q3.1 280.62,100.24 R12#2.1 279.7,99.7 Q2#2.3
Net-(R3-Pad2): length 11.4
  Top w0.25: 24.42,110.22 24.42,109.36 21.91,109.36 arc(21.52,109.44) 21.2,109.66 20.54,110.31 ; U2#2.5 284.77,107.39 286.46,107.39 286.99,107.92 286.99,108.96 R3#2.2

## Copper pours and planes (outline as drawn; the poured copper is in the pictures)
GND on Top, Bottom: 316.38,-8.34 14.78,-8.94 7.26,0.31 -8.97,16.36 13.94,122.33 15.21,130.96 306.73,133.47

## Text on the board
B.Mask: Hakea
B.Silkscreen: +  +
F.Mask: Hakea
F.Silkscreen: +  +
